# Altium PCB PCBDesign.PcbDoc (part 2 of 8)
Units mm, origin at the board's own origin, x right, y up, seen from the top; angles counter-clockwise.
Board outline 95 x 70 mm, 10 copper layers (L1 (Sig), L2 (GND), L3 (Sig), L4 (GND), L5 (Sig), L6 (GND), L7 (Sig), L8 (GND), L9 (PWR), L10 (Sig)), stack 1.566 mm thick; 290 components, 365 nets, 1923 pads, 1420 vias.
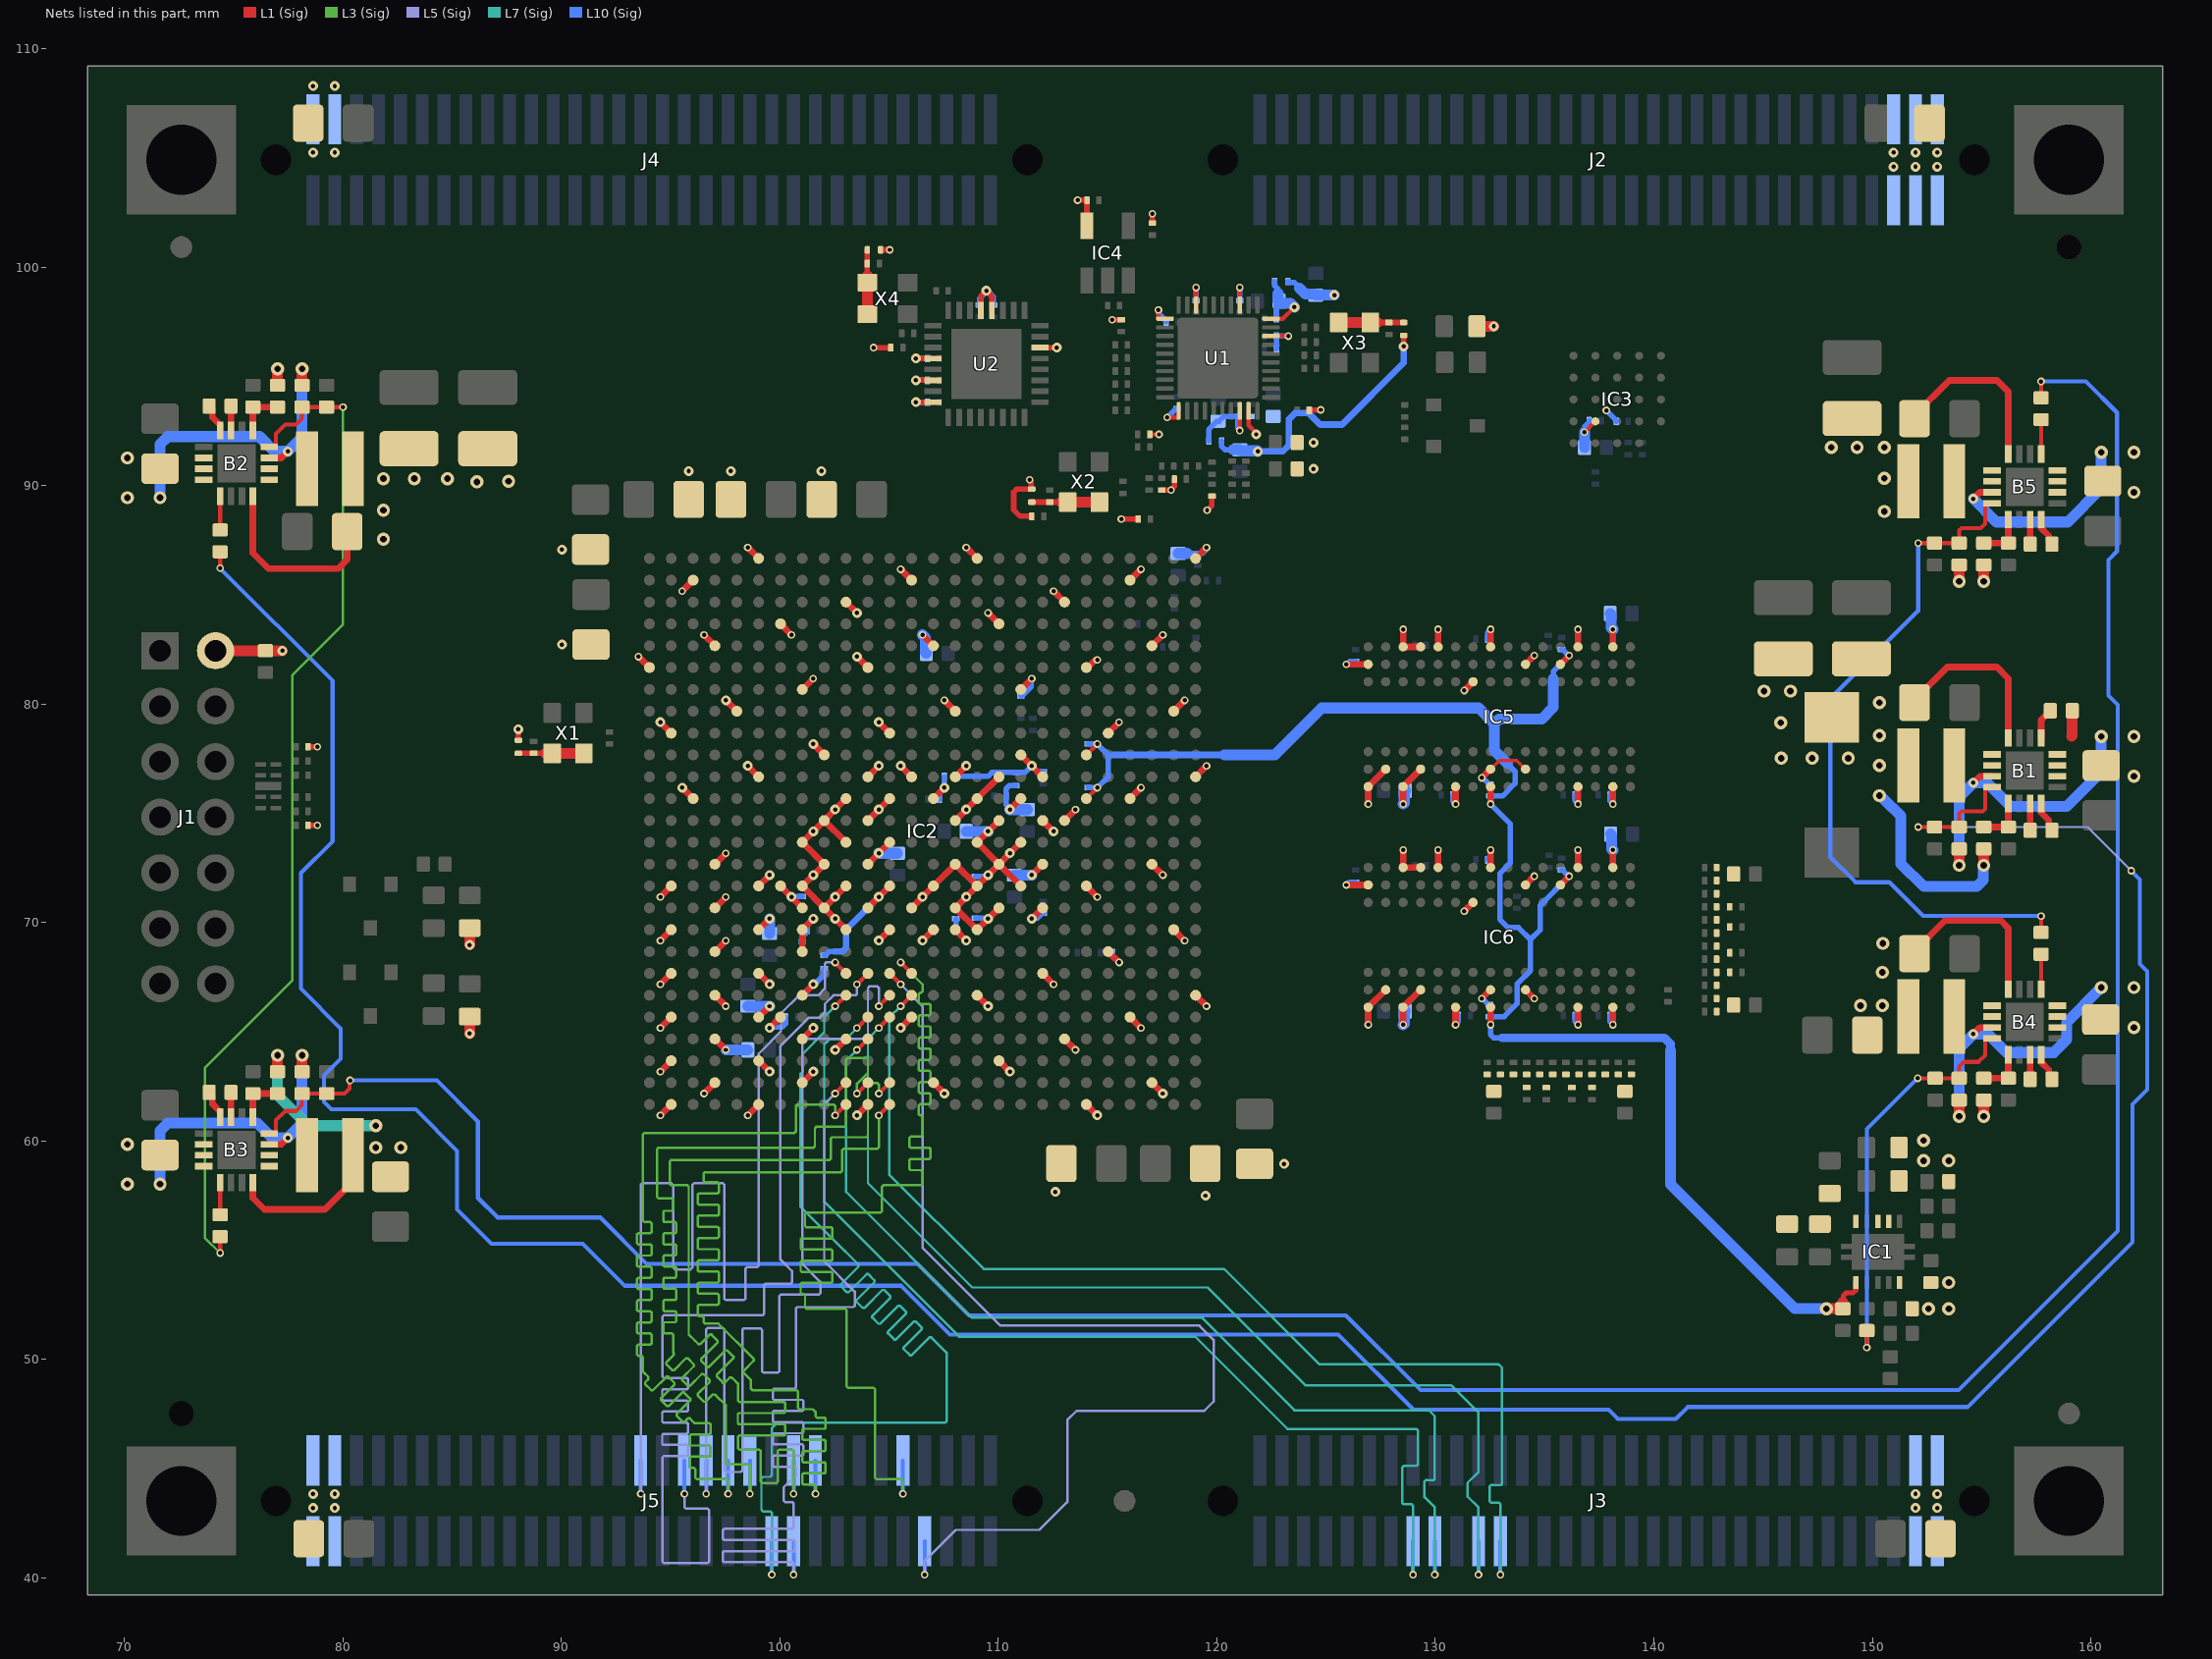
[diagram p10: the nets of this part, all layers, seen from the top]

## Part data
B1 B2 B3 B4 B5: "4A Synchronous Step Down Converter with DCS Control", Manufacturer_Name="Texas Instruments", Mouser Part Number=595-TLV62095RGTR, Datasheet Link=http://www.ti.com/lit/gpn/TLV62095, Geometry.Height=1mm, Manufacturer_Part_Number=TLV62095RGTR, Mouser Price/Stock=https://www.mouser.co.uk/ProductDetail/Texas-Instruments/TLV62095RGTR?qs=f4l5qYp%2Fy%252B5FMQoaGbkQ%252Bg%3D%3D
C1 C2 C3 C4 C9 C10 C11 C12 C17 C19 C30 C31 C33 C35 C36 C37 C38 C39 C44 C127 C128 C129 C130: library part CAP_0805, "Capacitor SMD 0805"
C5 C6 C7 C8 C13 C14 C15 C16 C18 C20 C21 C22 C23 C26 C34 C41 C46 C49 C53 C56 C59 C60 C61 C62 C66 C79 C80 C81 C82 C85 C86 C96 C97 C105 C112 C113 C114 C115 C118: library part CAP_0402, "Capacitor SMD 0402"
C24 C25 C27 C28 C29: library part CAP_0603, "Capacitor SMD 0603"
C32: "330 uF Tantalum Capacitor", Arrow Part Number=T491A106M010AT, Manufacturer_Name=KEMET, Mouser Part Number=80-T491A106M010, Arrow Price/Stock=https://www.arrow.com/en/products/t491a106m010at/kemet-corporation?region=nac, Datasheet Link=https://content.kemet.com/datasheets/KEM_T2005_T491.pdf, Height=1.8mm, Manufacturer_Part_Number=T491A106M010AT, Mouser Price/Stock=https://www.mouser.co.uk/ProductDetail/KEMET/T491A106M010AT?qs=VCf6WUQjPgG9lDvYXR0yBw%3D%3D
C40 C45 C48 C50 C51 C52 C55 C58 C63 C64 C65 C67 C68 C69 C70 C71 C72 C73 C74 C75 C76 C77 C78 C83 C84 C87 C88 C89 C90 C91 C92 C93 C94 C95 C98 C99 C100 C101 C102 C103 C104 C106 C107 C108 C109 C110 C111 C116 C117 C119 C120 C121 C122 C123 C124 C125 C126: library part CAP_0201, "Capacitor SMD 0201"
C42 C43 C47 C54 C57: library part CAP_1210, "Capacitor SMD 1210"
D1 D2 D4: library part LED_0603_GREEN, "LED 0603 GREEN SMD"
D3: "TVS Diode Array Low Capacitance ESD Protection 4-Channel (Vwork=3V3, Vclamp=6V)", Manufacturer=Littelfuse, Manufacturer Part Number=SP3420-04UTG
FB1 FB2 FB3 FB4 FB5 FB6 FB7 FB8 FB9: library part IND_0201, "Inductor SMD 0201", Manufacturer_Name="Murata Electronics", Manufacturer_Part_Number=LQP03HQ56NH02D, Mouser Part Number=81-LQP03HQ56NH02D, Datasheet Link=https://psearch.en.murata.com/inductor/product/LQP03HQ56NH02%23.html, Height=0.42mm, Mouser Price/Stock=https://www.mouser.co.uk/ProductDetail/Murata-Electronics/LQP03HQ56NH02D?qs=B6kkDfuK7%2FBQu1Ob9%2FT2Bg%3D%3D
IC1: "Texas Instruments Sink and Source DDR Termination Regulator"
IC2: "Integrated Circuit", Manufacturer_Name=AMD, Mouser Part Number=217-XC7Z030-2FFG676I, Datasheet Link=http://www.xilinx.com/support/documentation/data_sheets/ds190-Zynq-7000-Overview.pdf, Height=3.24mm, Manufacturer_Part_Number=XC7Z030-2FFG676I, Mouser Price/Stock=https://www.mouser.co.uk/ProductDetail/Xilinx/XC7Z030-2FFG676I?qs=rrS6PyfT74cuZK5O3CSpmw%3D%3D
IC3: "Micron 128 Mb QSPI NOR-Flash", Manufacturer_Name=Micron, Mouser Part Number=340-283174-TRAY, Arrow Part Number=MT25QL128ABA8E12-0SIT, Arrow Price/Stock=https://www.arrow.com/en/products/mt25ql128aba8e12-0sit/micron-technology?region=nac, Datasheet Link=https://media-www.micron.com/-/media/client/global/documents/products/data-sheet/nor-flash/serial-nor/mt25q/die-rev-a/mt25q_qlhs_l_128_aba_0.pdf?rev=8abb836059694966b54cf068a1803757, Height=1.2mm, Manufacturer_Part_Number=MT25QL128ABA8E12-0SIT, Mouser Price/Stock=https://www.mouser.co.uk/ProductDetail/Micron/MT25QL128ABA8E12-0SIT?qs=rrS6PyfT74dfqAxiSUhsIQ%3D%3D
IC4: "Integrated Circuit", Manufacturer_Name="Texas Instruments", Mouser Part Number=595-SN74LVC1G07DBVT, Arrow Part Number=SN74LVC1G07DBVT, Arrow Price/Stock=https://www.arrow.com/en/products/sn74lvc1g07dbvt/texas-instruments?region=nac, Datasheet Link=http://www.ti.com/lit/gpn/sn74lvc1g07, Height=1.45mm, Manufacturer_Part_Number=SN74LVC1G07DBVT, Mouser Price/Stock=https://www.mouser.co.uk/ProductDetail/Texas-Instruments/SN74LVC1G07DBVT?qs=pajgIaoyDUjU1UIYfW1NgQ%3D%3D
IC5 IC6: "Integrated Circuit", Manufacturer_Name=Micron, Mouser Part Number=340-265862-TRAY, Arrow Part Number="MT41K256M16TW-107 IT:P", Arrow Price/Stock=https://www.arrow.com/en/products/mt41k256m16tw-107-itp/micron-technology?region=europe, Datasheet Link=https://datasheet.octopart.com/MT41K256M16TW-107-IT%3AP-Micron-datasheet-134530703.pdf, Height=1.2mm, Manufacturer_Part_Number="MT41K256M16TW-107 IT:P", Mouser Price/Stock=https://www.mouser.co.uk/ProductDetail/Micron/MT41K256M16TW-107-ITP?qs=rrS6PyfT74dVaU4J%2FCiQdg%3D%3D
J1: "Connector", Manufacturer_Name=Molex, Manufacturer_Part_Number=87832-1416, Mouser Part Number=538-87832-1416, Datasheet Link=http://uk.rs-online.com/web/p/products/6701077, Height=7.6mm, Mouser Price/Stock=https://www.mouser.co.uk/ProductDetail/Molex/87832-1416?qs=kNSQ05%252BLZoDeXuSWsnDgxQ%3D%3D
J2 J3 J4 J5: "Molex MEZZANINE Series, Series Number 71436, 1mm Pitch 64 Way 2 Row Straight PCB Header, Solder Termination, 1A", Manufacturer_Name=Molex, Mouser Part Number=538-71436-2164, Geometry.Height=8.48mm, Manufacturer_Part_Number=71436-2164, Mouser Price/Stock=https://www.mouser.co.uk/ProductDetail/Molex/71436-2164?qs=X1mjqRbeMc536fw4qEA%252B%252Bg%3D%3D
L1 L2 L3 L4 L5: "Inductor", Manufacturer_Name=TDK, Mouser Part Number=810-VLS3012HBX-1R0M, Arrow Part Number=VLS3012HBX-1R0M, Arrow Price/Stock=https://www.arrow.com/en/products/vls3012hbx-1r0m/tdk?region=nac, Datasheet Link=https://product.tdk.com/system/files/dam/doc/product/inductor/inductor/smd/catalog/inductor_commercial_power_vls3012hbx_en.pdf, Manufacturer_Part_Number=VLS3012HBX-1R0M, Mouser Price/Stock=https://www.mouser.co.uk/ProductDetail/TDK/VLS3012HBX-1R0M?qs=pfd5qewlna4O71VRfcrI8g%3D%3D
L6: library part IND_0402, "Inductor SMD 0402"
Q1 Q2 Q3: "MOSFET (N-Channel)", Manufacturer_Name=Toshiba, Mouser Part Number=757-T2N7002AKLM, Arrow Part Number=T2N7002AK,LM, Arrow Price/Stock=https://www.arrow.com/en/products/t2n7002aklm/toshiba?region=nac, Datasheet Link=http://toshiba.semicon-storage.com/info/docget.jsp?did=29712&prodName=T2N7002AK, Height=1.1mm, Manufacturer_Part_Number=T2N7002AK,LM, Mouser Price/Stock=https://www.mouser.co.uk/ProductDetail/Toshiba/T2N7002AKLM?qs=pzVvXTvk9PzfX4hYglwZ9Q%3D%3D
R1 R2 R3 R4 R5 R6 R7 R8 R9 R10 R11 R12 R13 R14 R15 R16 R17 R18 R19 R20 R21 R22 R23 R24 R26 R44: library part RES_0402, "Resistor SMD 0402"
R25 R27 R41: library part RES_0603, "Resistor SMD 0603"
R28 R29 R30 R31 R32 R33 R34 R35 R36 R37 R38 R39 R40 R42 R43 R45 R46 R47 R48 R49 R50 R51 R52 R53 R54 R55 R56 R57 R58 R59 R60 R61 R62 R63 R64 R65 R66 R67 R68 R69 R70 R71 R72 R73 R74 R75 R76 R77 R78 R79 R80 R81 R82 R83 R84 R85 R86 R87 R88 R89 R90 R91 R92 R93 R94 R95 R96 R97 R98 R99 R100 R101 R102 R103 R104 R105 R106 R107 R108 R109 R110 R111 R112 R113 R114 R115 R116: library part RES_0201, "Resistor SMD 0201"
U1: "INTEGRATED 10/100/1000M ETHERNET PRECISION TRANSCEIVER", Manufacturer=Realtek, Manufacturer Part Number=RTL8211F-CG
U2: "Hi-Speed USB 2.0 ULPI Transceiver", Manufacturer=Microchip, Manufacturer Part Number=USB3320C-EZK-TR
X1 X2 X3 X4: library part ECS-2520MV-130-BN-TR, "Standard Clock Oscillators XO (Standard),13MHz,Standby (Power Down),CMOS, Multi-Volt,1.6 V 3.6 V,+/-50ppm,-40 C 85 C,6mA,Surface Mount,4-SMD, No Lead,(2.50mm x 2.00mm),(0.80mm)", Manufacturer=ECS, Manufacturer Part Number=ECS-2520MV-130-BN-TR

## Free pads (board coordinates)
  rect 5x5 hole 3.2 mask+0.03: 12(72.6,104.925) 12(72.6,43.525) 12(159,104.925) 12(159,43.525)
  round 1 smd mask+0.75: FM(72.6,100.925) FM(115.775,43.525) FM(159,47.525)
  round 1 smd far side mask+0.75: FM(72.6,100.925) FM(115.775,43.525) FM(159,47.525)
  round 1.152 hole 1.152 unplated mask+0.03: TH(72.6,47.525) TH(159,100.925)

## Via types
v1: diameter 0.35, hole 0.2, L1 (Sig) to L10 (Sig), tented both sides, 1046 vias
v2: diameter 0.45, hole 0.2, L1 (Sig) to L10 (Sig), tented both sides, 216 vias
v3: diameter 0.6, hole 0.3, L1 (Sig) to L10 (Sig), tented both sides, 95 vias
v4: diameter 0.8, hole 0.4, L1 (Sig) to L10 (Sig), tented both sides, 41 vias
v5: diameter 0.45, hole 0.3, L1 (Sig) to L10 (Sig), tented both sides, 22 vias

## Nets (pads, with @x,y where several pads share a name; then routed paths per layer and width w, separated by ;. In a path a pad name is that pad's centre, name@x,y a point inside that pad or via, vN(x,y) a via of type N, cw(c..) or ccw(c..) an arc to the next point about the centre after c; other vN are vias at no path point)
+0V675: C27.2 C28.2 C29.2 C71.2 C72.2 C73.2 C74.2 C75.2 C76.2 C77.2 C78.2 C79.2 C80.2 C81.2 C82.2 IC1.3 IC1.5 R65.1 R66.1 R67.1 R68.1 R69.1 R70.1 R71.1 R72.1 R73.1 R74.1 R75.1 R76.1 R77.1 R78.1 R79.1 R80.1 R81.1 R82.1 R83.1 R84.1 R85.1 R86.1 R87.1 R88.1
+0V675REF: C26.2 C69.2 C70.2 C83.1 C84.2 C94.1 C95.2 IC1.6 IC2.K21 IC2.M21 IC5.H1 IC5.M8 IC6.H1 IC6.M8 | length 81.1
  L1 (Sig) w0.2: IC2.M21@114.025,75.675 v1(114.525,76.175) ; IC2.K21@114.025,77.675 v1(114.525,78.175)
  L1 (Sig) w0.24: 148.675,52.825 148.675,52.909 148.816,53.05 149.109,53.05 149.25,53.191 IC1.6@149.25,53.525
  L1 (Sig) w0.3: v1(132.525,65.325) IC6.H1@132.525,66.125 ; v1(132.525,75.425) IC5.H1@132.525,76.225 ; IC6.M8@135.725,71.725 v1(136.125,72.125) ; IC5.M8@135.725,81.825 v1(136.125,82.225)
  L1 (Sig) w0.5: v3(147.9,52.325) C26.2@148.65,52.325 148.65,52.625
  L10 (Sig) w0.25: C69.2@114.1,76.175 v1(114.525,76.175) 115.025,76.675 115.025,77.675 ; C70.2@114.1,78.175 v1(114.525,78.175) 115.025,77.675 ; 115.275,77.675 115.025,77.675 ; C94.1@132.475,65.7 C94.1@132.506,65.7 ; C83.1@132.5,75.8 C83.1@132.513,75.8 ; 133.05,64.725 132.671,64.725 132.525,64.871 v1(132.525,65.325) 132.506,65.344 C94.1@132.506,65.7 ; 133.3,77.275 133.65,76.925 133.65,76.375 133.075,75.8 C83.1@132.513,75.8 ; 135.4,81.15 135.4,81.5 v1(136.125,82.225) 136.1,82.225 135.825,82.5 C84.2@135.775,82.5 ; C95.2@135.775,72.4 135.825,72.4 136.1,72.125 v1(136.125,72.125) 134.8,70.8 134.8,69.675 134.35,69.225 ; C94.1@132.506,65.7 133.15,65.7 133.75,66.3 133.75,67.2 134.35,67.8 134.35,69.225 ; C83.1@132.513,75.8 132.513,75.437 v1(132.525,75.425) 133.425,74.525 133.425,72.725 132.95,72.25 132.95,70.15 133.325,69.775 133.8,69.775 134.35,69.225
  L10 (Sig) w0.3: 115.275,77.675 120.35,77.675
  L10 (Sig) w0.4: 133.05,64.725 140.482,64.725 140.76,64.447 140.76,64.15
  L10 (Sig) w0.5: 120.35,77.675 122.65,77.675 124.8,79.825 131.975,79.825 132.7,79.1 ; 133.3,77.275 132.7,77.875 132.7,78.875 132.7,79.1 ; 135.4,81.15 135.4,79.85 134.875,79.325 132.925,79.325 132.7,79.1 ; 140.76,64.15 140.76,58.015 146.45,52.325 v3(147.9,52.325)
+1V0: B1.16 C3.2 C32.1 C34.2 C43.2 C51.2 C52.2 C53.2 C54.2 FB3.1 IC2.L11 IC2.L13 IC2.L15 IC2.L17 IC2.M12 IC2.M16 IC2.N11 IC2.N15 IC2.N17 IC2.P12 IC2.P16 IC2.P18 IC2.R11 IC2.R15 IC2.R17 IC2.T12 IC2.T14 IC2.T16 IC2.T18 IC2.U11 IC2.U13 IC2.U15 IC2.U17 IC2.V16 L1.2 R1.2 | length 49.2
  L1 (Sig) w0.3: IC2.U11@104.025,70.675 v2(104.525,71.175) IC2.T12@105.025,71.675 ; IC2.R11@104.025,72.675 v2(104.525,73.175) IC2.P12@105.025,73.675 ; IC2.N11@104.025,74.675 IC2.M12@105.025,75.675 ; IC2.L11@104.025,76.675 v2(104.525,77.175) ; v2(105.525,77.175) IC2.L13@106.025,76.675 ; IC2.U13@106.025,70.675 IC2.T14@107.025,71.675 IC2.R15@108.025,72.675 IC2.T16@109.025,71.675 ; IC2.N15@108.025,74.675 IC2.M16@109.025,75.675 IC2.L17@110.025,76.675 ; IC2.L15@108.025,76.675 v2(108.525,77.175) ; IC2.U17@110.025,70.675 v2(109.525,70.175) IC2.V16@109.025,69.675 IC2.U15@108.025,70.675 IC2.T16@109.025,71.675 ; IC2.N17@110.025,74.675 v2(109.525,74.175) IC2.P16@109.025,73.675 IC2.R17@110.025,72.675 ; IC2.T18@111.025,71.675 IC2.R17@110.025,72.675 ; IC2.P18@111.025,73.675 IC2.R17@110.025,72.675 ; C3.2@151.932,80.075 151.932,80.198 153.434,81.7 155.7,81.7 156.225,81.175 B1.16@156.225,78.45 ; IC2.T16@109.025,71.675 v2(109.525,72.175) IC2.R17@110.025,72.675
  L1 (Sig) w0.5: v3(155.1,72.625) R1.2@155.1,73.375
  L10 (Sig) w0.25: FB3.1@102.025,68.5 102.075,68.5 102.25,68.675 102.5,68.675 ; C51.2@108.95,70.2 109.5,70.2 v2(109.525,70.175) ; C52.2@108.95,72.125 109.421,72.125 109.471,72.175 v2(109.525,72.175)
  L10 (Sig) w0.3: 102.5,68.675 102.849,68.675 103.025,68.851 103.025,69.675 v2(104.525,71.175)
  L10 (Sig) w0.5: v2(104.525,73.175) C34.2@105.375,73.175 ; C53.2@108.525,74.175 v2(109.525,74.175) ; v3(150.325,75.815) 150.352,75.815 150.913,75.254 150.946,75.254 151.3,74.9 151.3,72.7 152.35,71.65 154.775,71.65 155.081,71.956 155.081,72.606 v3(155.1,72.625)
  other v2: 106.525,71.175 108.525,71.175 110.525,73.175 104.525,75.175 108.525,75.175
  other v3: 150.325,77.202 145.827,77.525 147.252,77.525 148.9,77.525 150.325,78.565 145.802,79.15 150.325,80.075 145.05,80.6 146.25,80.6
+1V0ETH: C107.2 C108.2 C109.2 C117.2 C118.2 C119.1 L6.2 U1.3 U1.8 U1.21 U1.38 | length 6.2
  L1 (Sig) w0.2: v1(117.725,93.125) 118.25,93.125 U1.21@118.25,93.425 ; U1.8@119.05,98.275 v1(119.05,99.075) ; U1.3@121.05,98.275 v1(121.05,99.075) ; U1.38@122.475,96.85 v1(123.275,96.85)
  L10 (Sig) w0.25: v1(117.725,93.125) 118.125,93.525 C117.2@118.175,93.525 ; C108.2@119.05,98.475 v1(119.05,99.075) ; C107.2@121.05,98.475 v1(121.05,99.075) ; C119.1@122.725,96.275 122.725,96.325 C109.2@122.725,96.85 v1(123.275,96.85)
  other v2: 124.425,90.775 124.425,91.975
+1V0MGT: C59.2 FB3.2 IC2.AA4 IC2.AA8 IC2.AB6 IC2.AC8 IC2.AD6 IC2.AE8 IC2.R4 IC2.T6 IC2.U4 IC2.Y6 | length 9
  L1 (Sig) w0.3: IC2.AA4@97.025,66.675 v1(97.525,66.175) ; IC2.U4@97.025,70.675 v1(97.525,71.175) ; IC2.R4@97.025,72.675 v1(97.525,73.175) ; IC2.AD6@99.025,63.675 v2(99.525,63.175) ; IC2.AB6@99.025,65.675 v2(99.525,66.175) ; IC2.Y6@99.025,67.675 v2(99.525,67.175) ; IC2.T6@99.025,71.675 v2(99.525,72.175) ; IC2.AE8@101.025,62.675 v2(101.525,63.175) ; IC2.AC8@101.025,64.675 v2(101.525,65.175) ; IC2.AA8@101.025,66.675 v2(101.525,67.175)
  L10 (Sig) w0.25: v2(101.525,67.175) 101.575,67.175 102.025,67.625 FB3.2@102.025,67.9
  L10 (Sig) w0.5: C59.2@98.525,66.175 v2(99.525,66.175)
+1V2: B3.16 C11.2 C60.2 IC2.AB2 IC2.AB7 IC2.AC4 IC2.AD2 IC2.AE4 IC2.AF2 IC2.AF6 IC2.T2 IC2.V2 IC2.W4 IC2.Y2 L3.2 R9.2 R38.2 | length 24.8
  L1 (Sig) w0.3: B3.16@75.875,58.1 75.875,57.4 76.4,56.875 79.175,56.875 80.45,58.15 L3.2@80.45,59.35 ; v1(94.525,61.175) IC2.AF2@95.025,61.675 ; v1(94.525,63.175) IC2.AD2@95.025,63.675 ; v1(94.525,65.175) IC2.AB2@95.025,65.675 ; v1(94.525,67.175) IC2.Y2@95.025,67.675 ; v1(94.525,69.175) IC2.V2@95.025,69.675 ; v1(94.525,71.175) IC2.T2@95.025,71.675 ; v1(96.525,62.175) IC2.AE4@97.025,62.675 ; IC2.AC4@97.025,64.675 v1(97.525,64.175) ; IC2.W4@97.025,68.675 v1(97.525,69.175) ; v1(98.525,61.175) IC2.AF6@99.025,61.675 ; v2(99.525,65.175) IC2.AB7@100.025,65.675
  L1 (Sig) w0.5: R9.2@77,63.175 v3(77,63.925)
  L7 (Sig) w0.5: v3(77,63.925) 77,62.1 78.4,60.7 v3(81.5,60.7)
  L10 (Sig) w0.25: v2(99.525,65.175) 99.563,65.213 100.088,65.213 100.25,65.375 R38.2@100.25,65.675
  L10 (Sig) w0.5: v1(97.525,64.175) C60.2@98.525,64.175
  other v3: 81.5,59.7 82.65,59.7
+1V8: B2.16 C4.2 C30.2 C31.2 C35.2 C37.2 C39.2 C40.2 C41.2 C42.2 C48.2 C55.2 C56.2 C57.2 C61.2 C114.2 C123.2 C124.2 C125.2 FB1.1 FB2.1 FB4.1 FB5.1 FB7.1 FB8.1 FB9.2 IC2.A6 IC2.A16 IC2.B3 IC2.B13 IC2.C10 IC2.C20 IC2.D7 IC2.D17 IC2.E4 IC2.E14 IC2.F1 IC2.F11 IC2.F21 IC2.G8 IC2.G18 IC2.H5 IC2.H15 IC2.J2 IC2.J12 IC2.K9 IC2.K18 IC2.L6 IC2.L19 IC2.M3 IC2.M10 IC2.N9 IC2.N19 IC2.P8 IC2.P10 IC2.R9 IC2.R19 IC2.T8 IC2.T10 IC2.U9 IC2.U19 IC2.V6 IC2.V10 IC2.V15 L2.2 R2.2 R39.1 R42.2 R114.1 U2.14 U2.28 U2.30 U2.32 | length 72.9
  L1 (Sig) w0.25: FB4.1@88.025,78.35 v2(88.025,78.85) ; v1(104.288,96.325) R114.1@105.075,96.325 ; FB9.2@104.6,100.8 v1(105.025,100.8) ; v2(106.225,93.825) U2.32@107,93.825 ; v2(106.225,94.825) U2.30@107,94.825 ; v2(106.225,95.825) U2.28@107,95.825 ; v1(111.425,90.275) 111.425,90.248 111.505,90.168 FB5.1@111.505,89.85 ; R42.2@111.525,88.6 111,88.6 110.7,88.9 110.7,89.704 110.846,89.85 FB5.1@111.505,89.85 ; FB5.1@111.525,89.85 FB5.1@111.505,89.85 ; U2.14@111.9,96.325 v2(112.675,96.325) ; v2(128.55,96.375) FB8.1@128.55,96.875
  L1 (Sig) w0.3: B2.16@75.875,89.525 75.875,86.925 76.6,86.2 79.775,86.2 80.193,86.618 C4.2@80.193,87.9 ; v1(93.525,82.175) IC2.F1@94.025,81.675 ; v2(94.525,79.175) IC2.J2@95.025,78.675 ; v2(95.525,76.175) IC2.M3@96.025,75.675 ; v1(95.525,85.175) IC2.B3@96.025,85.675 ; v1(96.525,83.175) IC2.E4@97.025,82.675 ; v2(97.525,80.175) IC2.H5@98.025,79.675 ; v2(98.525,77.175) IC2.L6@99.025,76.675 ; v1(98.525,87.175) IC2.A6@99.025,86.675 ; IC2.V6@99.025,69.675 v2(99.525,70.175) ; IC2.D7@100.025,83.675 v1(100.525,83.175) ; IC2.G8@101.025,80.675 v1(101.525,81.175) ; v2(101.525,78.175) IC2.K9@102.025,77.675 ; IC2.V10@103.025,69.675 IC2.U9@102.025,70.675 ; IC2.T10@103.025,71.675 v2(102.525,71.175) IC2.U9@102.025,70.675 ; IC2.P10@103.025,73.675 IC2.N9@102.025,74.675 ; IC2.M10@103.025,75.675 v2(102.525,75.175) IC2.N9@102.025,74.675 ; IC2.C10@103.025,84.675 v2(103.525,84.175) ; v2(103.525,82.175) IC2.F11@104.025,81.675 ; v2(104.525,79.175) IC2.J12@105.025,78.675 ; v1(105.525,86.175) IC2.B13@106.025,85.675 ; v1(106.525,83.175) IC2.E14@107.025,82.675 ; v1(107.525,80.175) IC2.H15@108.025,79.675 ; IC2.V15@108.025,69.675 v2(108.525,69.175) ; v1(108.525,87.175) IC2.A16@109.025,86.675 ; v1(109.525,84.175) IC2.D17@110.025,83.675 ; IC2.K18@111.025,77.675 v2(111.525,77.175) IC2.L19@112.025,76.675 ; IC2.G18@111.025,80.675 v1(111.525,81.175) ; v2(111.525,70.175) IC2.U19@112.025,70.675 ; v2(111.525,72.175) IC2.R19@112.025,72.675 ; IC2.N19@112.025,74.675 v2(112.525,74.175) ; v1(112.525,85.175) IC2.C20@113.025,84.675 ; IC2.F21@114.025,81.675 114.079,81.675 114.42,82.015 114.515,82.015 v1(114.525,82.025) ; IC2.U9@102.025,70.675 IC2.T8@101.025,71.675 v2(101.525,72.175) IC2.R9@102.025,72.675 IC2.P8@101.025,73.675 v2(101.525,74.175) IC2.N9@102.025,74.675
  L1 (Sig) w0.5: R2.2@77,94.6 v3(77,95.35)
  L10 (Sig) w0.25: v2(106.225,93.825) C123.2@106.75,93.825 ; v2(106.225,94.825) C124.2@106.75,94.825 ; v2(106.225,95.825) C125.2@106.75,95.825 ; C48.2@108.05,70.175 108.05,69.65 v2(108.525,69.175) ; FB2.1@108.125,76.725 108.125,76.698 109.523,76.698 109.7,76.875 111.225,76.875 v2(111.525,77.175) 111.8,76.9 C55.2@112.05,76.9 ; R39.1@111.025,80.375 111.075,80.375 111.506,80.806 111.506,81.156 v1(111.525,81.175) ; v2(111.525,70.175) 111.563,70.213 111.788,70.213 112,70.425 C40.2@112.05,70.425 ; FB7.1@120.225,92.05 120.225,91.796 120.371,91.65 C114.2@120.75,91.65
  L10 (Sig) w0.3: v2(121.875,91.575) 123.025,91.575 123.3,91.85 123.3,93.05 123.575,93.325 124.2,93.325 124.725,92.8 125.725,92.8 128.55,95.625 v2(128.55,96.375)
  L10 (Sig) w0.5: C61.2@99.525,69.5 v2(99.525,70.175) ; v1(106.525,83.175) 106.65,83.05 106.65,82.375 C56.2@106.7,82.325 ; C41.2@110.725,72.175 v2(111.525,72.175) ; C114.2@120.75,91.65 C114.2@121.05,91.65 121.1,91.6 121.85,91.6 v2(121.875,91.575)
  other v2: 102.525,70.175 90.025,82.725 90.025,87.075 95.825,90.675 97.75,90.675 101.9,90.675
  other v3: 81.85,87.55 81.85,88.875 86.125,90.175 87.575,90.2 81.85,90.325 83.263,90.325 84.775,90.325
+1V8_ETH_CLK: C120.1 FB8.2 X3.1 X3.4 | length 3
  L1 (Sig) w0.25: X3.4@127.35,97.475 C120.1@127.875,97.475 128,97.475 FB8.2@128.55,97.475
  L1 (Sig) w0.5: X3.1@125.575,97.475 X3.4@127.025,97.475 X3.4@127.35,97.475
+1V8_PL_CLK: C63.1 FB4.2 X1.1 X1.4 | length 2.9
  L1 (Sig) w0.25: FB4.2@88.15,77.75 88.75,77.75 X1.4@89.275,77.75
  L1 (Sig) w0.5: X1.4@89.275,77.75 X1.4@89.575,77.75 ; X1.4@89.575,77.75 X1.1@91.025,77.75
+1V8_PS_CLK: C67.1 FB5.2 X2.1 X2.4 | length 3.4
  L1 (Sig) w0.25: FB5.2@111.55,89.25 111.6,89.25 C67.1@112.35,89.25 X2.4@113.175,89.25
  L1 (Sig) w0.5: X2.4@112.875,89.25 X2.4@113.175,89.25 X2.1@114.625,89.25
+1V8_USB_CLK: C126.2 FB9.1 X4.1 X4.4 | length 2.9
  L1 (Sig) w0.25: X4.4@104,99.6 C126.2@104,100.175 FB9.1@104,100.8
  L1 (Sig) w0.5: X4.1@104,97.85 X4.4@104,99.3 X4.4@104,99.6
+1V8A: C58.2 FB2.2 IC2.M14 | length 1.8
  L1 (Sig) w0.3: IC2.M14@107.025,75.675 v2(107.525,76.175)
  L10 (Sig) w0.25: C58.2@107.3,75.65 107.3,75.929 107.525,76.154 v2(107.525,76.175) FB2.2@107.525,76.675
+1V8ETH: C115.2 C116.2 FB7.2 R95.1 R96.1 R97.1 R98.1 R108.1 R109.1 U1.28 | length 6.8
  L1 (Sig) w0.185: R98.1@116.925,92.35 v1(117.35,92.35)
  L1 (Sig) w0.2: v1(121.05,92.525) U1.28@121.05,93.425
  L1 (Sig) w0.25: v1(115.2,97.6) R109.1@115.625,97.6 ; R97.1@117.475,89.8 v1(117.9,89.8) 117.9,89.827 118.05,89.977 R96.1@118.05,90.3 ; v1(119.552,88.875) 119.775,89.098 R95.1@119.775,89.525 ; R108.1@124.225,93.45 124.225,93.463 124.738,93.463 v1(124.75,93.475)
  L10 (Sig) w0.25: FB7.2@119.625,92.05 119.625,92.575 120,92.95 C115.2@120.05,92.95 120.1,92.95 120.325,93.175 C116.2@120.95,93.175 120.95,92.652 121.05,92.552 v1(121.05,92.525)
+1V8PLL: C49.2 C50.2 FB1.2 IC2.M18 | length 3
  L1 (Sig) w0.3: v2(110.525,75.175) IC2.M18@111.025,75.675
  L10 (Sig) w0.25: v2(110.525,75.175) 110.525,75.229 110.35,75.404 C50.2@110.35,75.8 110.35,76.129 110.496,76.275 FB1.2@110.8,76.275
  L10 (Sig) w0.5: v2(110.525,75.175) C49.2@111.325,75.175
+1V35DDR: B4.16 C12.2 C24.2 C25.2 C44.2 C83.2 C85.2 C86.2 C87.2 C88.2 C89.2 C90.2 C91.2 C92.2 C93.2 C94.2 C96.2 C97.2 C98.2 C99.2 C100.2 C101.2 C102.2 C103.2 C104.2 IC1.2 IC2.H25 IC2.J22 IC2.L26 IC2.M23 IC2.N20 IC2.R24 IC2.T21 IC2.V25 IC2.W22 IC5.A1 IC5.A8 IC5.B2 IC5.C1 IC5.C9 IC5.D2 IC5.D9 IC5.E9 IC5.F1 IC5.G7 IC5.H2 IC5.H9 IC5.K2 IC5.K8 IC5.N1 IC5.N9 IC5.R1 IC5.R9 IC6.A1 IC6.A8 IC6.B2 IC6.C1 IC6.C9 IC6.D2 IC6.D9 IC6.E9 IC6.F1 IC6.G7 IC6.H2 IC6.H9 IC6.K2 IC6.K8 IC6.N1 IC6.N9 IC6.R1 IC6.R9 L4.2 R10.2 R20.2 R91.2 | length 57.2
  L1 (Sig) w0.15: IC5.H2@132.525,77.025 132.925,77.425 133.725,77.425 IC5.K2@134.125,77.025
  L1 (Sig) w0.3: IC2.N20@113.025,74.675 v1(113.525,75.175) ; IC2.T21@114.025,71.675 v1(114.525,71.175) ; IC2.W22@115.025,68.675 v1(115.525,68.175) ; IC2.J22@115.025,78.676 v1(115.523,79.175) ; IC2.M23@116.025,75.675 v1(116.525,76.175) ; IC2.R24@117.025,72.675 v1(117.525,72.175) ; IC2.V25@118.025,69.675 v1(118.525,69.175) ; IC2.H25@118.025,79.675 v1(118.525,80.175) ; IC2.L26@119.025,76.675 v1@119.525,77.176 ; v1(125.925,71.725) IC6.A8@126.925,71.725 ; v1(125.925,81.825) IC5.A8@126.925,81.825 ; v1(126.925,65.325) IC6.A1@126.925,66.125 IC6.B2@127.725,66.925 ; v1(126.925,75.425) IC5.A1@126.925,76.225 IC5.B2@127.725,77.025 ; v1(128.525,65.325) IC6.C1@128.525,66.125 IC6.D2@129.325,66.925 ; v1(128.525,73.325) IC6.C9@128.525,72.525 IC6.D9@129.325,72.525 ; v1(128.525,75.425) IC5.C1@128.525,76.225 IC5.D2@129.325,77.025 ; v1(128.525,83.425) IC5.C9@128.525,82.625 IC5.D9@129.325,82.625 ; IC6.E9@130.125,72.525 v1(130.125,73.325) ; IC5.E9@130.125,82.625 v1(130.125,83.425) ; v1(130.925,65.325) IC6.F1@130.925,66.125 ; v1(130.925,75.425) IC5.F1@130.925,76.225 ; v1(131.325,70.525) IC6.G7@131.725,70.925 ; v1(131.325,80.625) IC5.G7@131.725,81.025 ; v1(132.125,66.525) IC6.H2@132.525,66.925 ; v1(132.125,76.625) IC5.H2@132.525,77.025 ; IC6.H9@132.525,72.525 v1(132.525,73.325) ; IC5.H9@132.525,82.625 v1(132.525,83.425) ; IC6.K2@134.125,66.925 v1(134.525,66.525) ; IC6.K8@134.125,71.725 v1(134.525,72.125) ; IC5.K8@134.125,81.825 v1(134.525,82.225) ; v1(136.525,65.325) IC6.N1@136.525,66.125 ; IC6.N9@136.525,72.525 v1(136.525,73.325) ; v1(136.525,75.425) IC5.N1@136.525,76.225 ; IC5.N9@136.525,82.625 v1(136.525,83.425) ; v1(138.125,65.325) IC6.R1@138.125,66.125 ; IC6.R9@138.125,72.525 v1(138.125,73.325) ; v1(138.125,75.425) IC5.R1@138.125,76.225 ; IC5.R9@138.125,82.625 v1(138.125,83.425) ; C12.2@151.932,68.575 151.932,68.698 153.334,70.1 155.875,70.1 156.225,69.75 B4.16@156.225,66.95